# KiCad board HX711.kicad_pcb (continued)
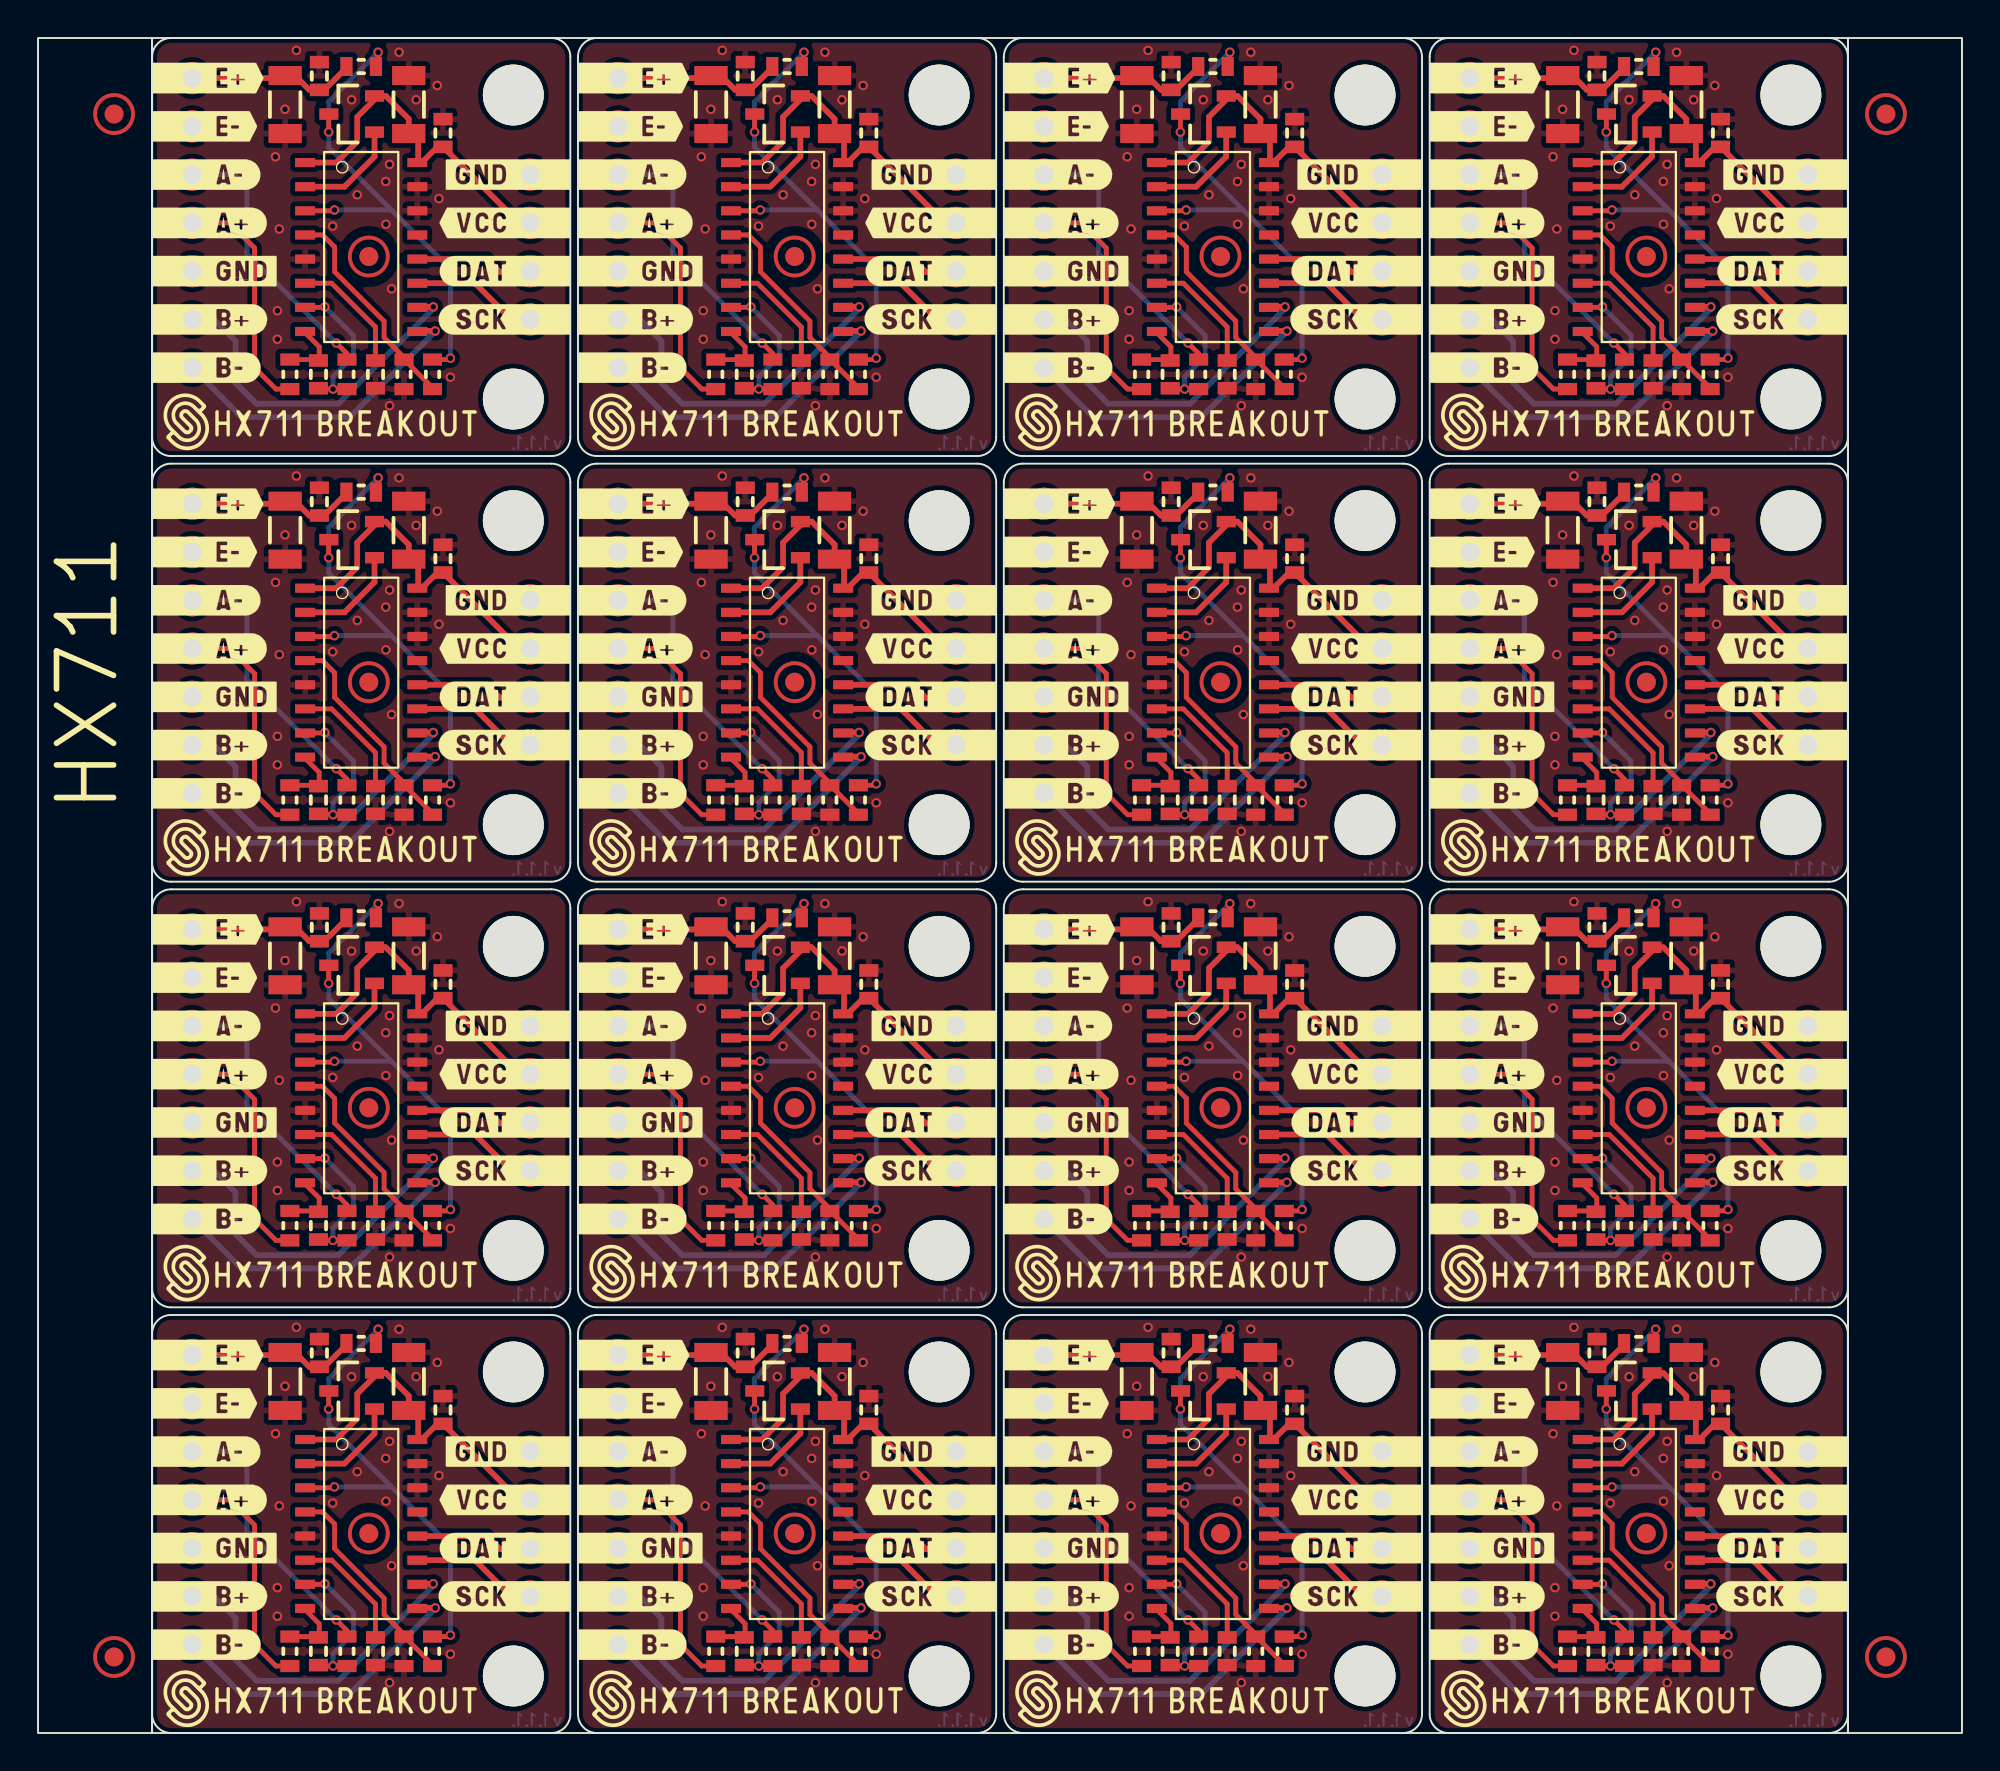
[diagram p0: board, top side]
## Placement (name value [footprint] x y rotation side) (continued)
NOREF#116  -  [buzzardLabel]  16.2 24.1 0 top
NOREF#117  -  [buzzardLabel]  28 9.73 0 top
NOREF#118  -  [buzzardLabel]  83.4 46.5 0 top
NOREF#119  -  [buzzardLabel]  28 59.61 0 top
NOREF#120  -  [buzzardLabel]  28 29.59 0 top
NOREF#121  -  [buzzardLabel]  50.8 51.99 0 top
NOREF#122  -  [buzzardLabel]  72.8 7.19 0 top
NOREF#123  -  [buzzardLabel]  72.8 42.29 0 top
NOREF#124  -  [buzzardLabel]  95.6 34.67 0 top
NOREF#125  -  [buzzardLabel]  72.8 49.45 0 top
NOREF#126  -  [buzzardLabel]  73.2 7.19 0 top
NOREF#127  -  [buzzardLabel]  50.8 79.47 0 top
NOREF#128  -  [buzzardLabel]  28 84.55 0 top
NOREF#129  -  [buzzardLabel]  5.6 59.61 0 top
NOREF#130  -  [buzzardLabel]  50.4 59.61 0 top
NOREF#131  -  [buzzardLabel]  50.4 64.69 0 top
NOREF#132  -  [buzzardLabel]  16.2 1.7 0 top
NOREF#133  -  [buzzardLabel]  50.8 9.73 0 top
NOREF#134  -  [buzzardLabel]  72.8 27.05 0 top
NOREF#135  -  [buzzardLabel]  50.4 49.45 0 top
NOREF#136  -  [buzzardLabel]  72.8 87.09 0 top
NOREF#137  -  [buzzardLabel]  28.4 12.27 0 top
NOREF#138  -  [buzzardLabel]  95.6 74.39 0 top
NOREF#139  -  [buzzardLabel]  95.6 12.27 0 top
NOREF#140  -  [buzzardLabel]  28 76.93 0 top
NOREF#141  -  [buzzardLabel]  50.4 32.13 0 top
NOREF#142  -  [buzzardLabel]  61 1.7 0 top
NOREF#143  -  [buzzardLabel]  5.6 74.39 0 top
NOREF#144  -  [buzzardLabel]  28 82.01 0 top
NOREF#145  -  [buzzardLabel]  28.4 79.47 0 top
NOREF#146  -  [buzzardLabel]  28 87.09 0 top
NOREF#147  -  [buzzardLabel]  5.6 57.07 0 top
NOREF#148  -  [buzzardLabel]  72.8 59.61 0 top
NOREF#149  -  [buzzardLabel]  38.6 68.9 0 top
NOREF#150  -  [buzzardLabel]  50.4 7.19 0 top
NOREF#151  -  [buzzardLabel]  5.6 17.35 0 top
NOREF#152  -  [buzzardLabel]  73.2 12.27 0 top
NOREF#153  -  [buzzardLabel]  72.8 57.07 0 top
NOREF#154  -  [buzzardLabel]  50.8 29.59 0 top
NOREF#155  -  [buzzardLabel]  72.8 29.59 0 top
NOREF#156  -  [buzzardLabel]  72.8 9.73 0 top
NOREF#157  -  [buzzardLabel]  28 19.89 0 top
NOREF#158  -  [buzzardLabel]  50.4 57.07 0 top
NOREF#159  -  [buzzardLabel]  73.2 82.01 0 top
NOREF#160  -  [buzzardLabel]  73.2 79.47 0 top
NOREF#161  -  [buzzardLabel]  28 57.07 0 top
NOREF#162  -  [buzzardLabel]  28.4 29.59 0 top
NOREF#163  -  [buzzardLabel]  95.6 29.59 0 top
NOREF#164  -  [buzzardLabel]  5.6 34.67 0 top
NOREF#165  -  [buzzardLabel]  95.6 59.61 0 top
NOREF#166  -  [buzzardLabel]  28 42.29 0 top
NOREF#167  -  [buzzardLabel]  72.8 51.99 0 top
NOREF#168  -  [buzzardLabel]  50.8 37.21 0 top
NOREF#169  -  [buzzardLabel]  73.2 57.07 0 top
NOREF#170  -  [buzzardLabel]  50.4 27.05 0 top
NOREF#171  -  [buzzardLabel]  61 68.9 0 top
NOREF#172  -  [buzzardLabel]  28.4 82.01 0 top
NOREF#173  -  [buzzardLabel]  73.2 54.53 0 top
NOREF#174  -  [buzzardLabel]  5.6 27.05 0 top
NOREF#175  -  [buzzardLabel]  16.2 46.5 0 top
NOREF#176  -  [buzzardLabel]  38.6 1.7 0 top
NOREF#177  -  [buzzardLabel]  28 4.65 0 top
NOREF#178  -  [buzzardLabel]  50.4 74.39 0 top
NOREF#179  -  [buzzardLabel]  50.4 54.53 0 top
NOREF#180  -  [buzzardLabel]  28 51.99 0 top
NOREF#181  -  [buzzardLabel]  38.6 24.1 0 top
NOREF#182  -  [buzzardLabel]  72.8 84.55 0 top
NOREF#183  -  [buzzardLabel]  28 27.05 0 top
NOREF#184  -  [buzzardLabel]  50.4 76.93 0 top
NOREF#185  -  [buzzardLabel]  38.6 46.5 0 top
NOREF#186  -  [buzzardLabel]  50.4 37.21 0 top
NOREF#187  -  [buzzardLabel]  50.8 32.13 0 top
NOREF#188  -  [buzzardLabel]  50.4 62.15 0 top
NOREF#189  -  [buzzardLabel]  28 39.75 0 top
NOREF#190  -  [buzzardLabel]  5.6 4.65 0 top
NOREF#191  -  [buzzardLabel]  28.4 54.53 0 top
NOREF#192  -  [buzzardLabel]  95.6 57.07 0 top
Q1  MMBT4403  [SOT-23-3]  38.9 18 180 top
Q1#2  MMBT4403  [SOT-23-3]  16.5 40.4 180 top
Q1#3  MMBT4403  [SOT-23-3]  61.3 85.2 180 top
Q1#4  MMBT4403  [SOT-23-3]  61.3 40.4 180 top
Q1#5  MMBT4403  [SOT-23-3]  61.3 62.8 180 top
Q1#6  MMBT4403  [SOT-23-3]  83.7 62.8 180 top
Q1#7  MMBT4403  [SOT-23-3]  83.7 40.4 180 top
Q1#8  MMBT4403  [SOT-23-3]  16.5 85.2 180 top
Q1#9  MMBT4403  [SOT-23-3]  38.9 62.8 180 top
Q1#10  MMBT4403  [SOT-23-3]  16.5 62.8 180 top
Q1#11  MMBT4403  [SOT-23-3]  16.5 18 180 top
Q1#12  MMBT4403  [SOT-23-3]  61.3 18 180 top
Q1#13  MMBT4403  [SOT-23-3]  38.9 40.4 180 top
Q1#14  MMBT4403  [SOT-23-3]  83.7 85.2 180 top
Q1#15  MMBT4403  [SOT-23-3]  38.9 85.2 180 top
Q1#16  MMBT4403  [SOT-23-3]  83.7 18 180 top
R1  100R  [0603R]  38.65 26.7 90 top
R1#2  100R  [0603R]  61.05 71.5 90 top
R1#3  100R  [0603R]  83.45 26.7 90 top
R1#4  100R  [0603R]  38.65 71.5 90 top
R1#5  100R  [0603R]  16.25 4.3 90 top
R1#6  100R  [0603R]  38.65 4.3 90 top
R1#7  100R  [0603R]  61.05 26.7 90 top
R1#8  100R  [0603R]  61.05 49.1 90 top
R1#9  100R  [0603R]  83.45 71.5 90 top
R1#10  100R  [0603R]  16.25 49.1 90 top
R1#11  100R  [0603R]  16.25 71.5 90 top
R1#12  100R  [0603R]  83.45 4.3 90 top
R1#13  100R  [0603R]  61.05 4.3 90 top
R1#14  100R  [0603R]  16.25 26.7 90 top
R1#15  100R  [0603R]  38.65 49.1 90 top
R1#16  100R  [0603R]  83.45 49.1 90 top
R2  100R  [0603R]  13.25 4.3 270 top
R2#2  100R  [0603R]  80.45 26.7 270 top
R2#3  100R  [0603R]  58.05 71.5 270 top
R2#4  100R  [0603R]  80.45 4.3 270 top
R2#5  100R  [0603R]  80.45 71.5 270 top
R2#6  100R  [0603R]  58.05 49.1 270 top
R2#7  100R  [0603R]  35.65 71.5 270 top
R2#8  100R  [0603R]  13.25 71.5 270 top
R2#9  100R  [0603R]  13.25 26.7 270 top
R2#10  100R  [0603R]  35.65 26.7 270 top
R2#11  100R  [0603R]  80.45 49.1 270 top
R2#12  100R  [0603R]  58.05 4.3 270 top
R2#13  100R  [0603R]  13.25 49.1 270 top
R2#14  100R  [0603R]  35.65 4.3 270 top
R2#15  100R  [0603R]  35.65 49.1 270 top
R2#16  100R  [0603R]  58.05 26.7 270 top
R3  20k  [0603R]  20.75 49.1 90 top
R3#2  20k  [0603R]  43.15 71.5 90 top
R3#3  20k  [0603R]  65.55 26.7 90 top
R3#4  20k  [0603R]  20.75 26.7 90 top
R3#5  20k  [0603R]  20.75 4.3 90 top
R3#6  20k  [0603R]  65.55 71.5 90 top
R3#7  20k  [0603R]  87.95 4.3 90 top
R3#8  20k  [0603R]  20.75 71.5 90 top
R3#9  20k  [0603R]  43.15 26.7 90 top
R3#10  20k  [0603R]  43.15 49.1 90 top
R3#11  20k  [0603R]  43.15 4.3 90 top
R3#12  20k  [0603R]  87.95 26.7 90 top
R3#13  20k  [0603R]  87.95 49.1 90 top
R3#14  20k  [0603R]  87.95 71.5 90 top
R3#15  20k  [0603R]  65.55 49.1 90 top
R3#16  20k  [0603R]  65.55 4.3 90 top
R4  8.2k  [0603R]  64.05 4.3 90 top
R4#2  8.2k  [0603R]  41.65 26.7 90 top
R4#3  8.2k  [0603R]  41.65 49.1 90 top
R4#4  8.2k  [0603R]  86.45 49.1 90 top
R4#5  8.2k  [0603R]  64.05 49.1 90 top
R4#6  8.2k  [0603R]  19.25 71.5 90 top
R4#7  8.2k  [0603R]  41.65 4.3 90 top
R4#8  8.2k  [0603R]  64.05 71.5 90 top
R4#9  8.2k  [0603R]  86.45 71.5 90 top
R4#10  8.2k  [0603R]  19.25 26.7 90 top
R4#11  8.2k  [0603R]  86.45 26.7 90 top
R4#12  8.2k  [0603R]  64.05 26.7 90 top
R4#13  8.2k  [0603R]  19.25 4.3 90 top
R4#14  8.2k  [0603R]  41.65 71.5 90 top
R4#15  8.2k  [0603R]  86.45 4.3 90 top
R4#16  8.2k  [0603R]  19.25 49.1 90 top
R5  10R  [0603R]  61.8 87.7 180 top
R5#2  10R  [0603R]  39.4 87.7 180 top
R5#3  10R  [0603R]  17 87.7 180 top
R5#4  10R  [0603R]  84.2 20.5 180 top
R5#5  10R  [0603R]  84.2 42.9 180 top
R5#6  10R  [0603R]  17 20.5 180 top
R5#7  10R  [0603R]  84.2 87.7 180 top
R5#8  10R  [0603R]  17 65.3 180 top
R5#9  10R  [0603R]  61.8 20.5 180 top
R5#10  10R  [0603R]  39.4 42.9 180 top
R5#11  10R  [0603R]  17 42.9 180 top
R5#12  10R  [0603R]  39.4 65.3 180 top
R5#13  10R  [0603R]  61.8 42.9 180 top
R5#14  10R  [0603R]  39.4 20.5 180 top
R5#15  10R  [0603R]  61.8 65.3 180 top
R5#16  10R  [0603R]  84.2 65.3 180 top
REF**  Logo-Front-SolderedFULL-15mm  [Logo-Back-SolderedFULL-15mm]  39.4 78.2 0 top
REF**#2  Logo-Front-SolderedFULL-15mm  [Logo-Back-SolderedFULL-15mm]  39.4 55.8 0 top
REF**#3  Logo-Front-SolderedFULL-15mm  [Logo-Back-SolderedFULL-15mm]  17 78.2 0 top
REF**#4  Logo-Front-SolderedFULL-15mm  [Logo-Back-SolderedFULL-15mm]  84.2 11 0 top
REF**#5  Logo-Front-SolderedFULL-15mm  [Logo-Back-SolderedFULL-15mm]  61.8 11 0 top
REF**#6  Logo-Front-SolderedFULL-15mm  [Logo-Back-SolderedFULL-15mm]  84.2 33.4 0 top
REF**#7  Logo-Front-SolderedFULL-15mm  [Logo-Back-SolderedFULL-15mm]  61.8 78.2 0 top
REF**#8  Logo-Front-SolderedFULL-15mm  [Logo-Back-SolderedFULL-15mm]  61.8 55.8 0 top
REF**#9  Logo-Front-SolderedFULL-15mm  [Logo-Back-SolderedFULL-15mm]  39.4 11 0 top
REF**#10  Logo-Front-SolderedFULL-15mm  [Logo-Back-SolderedFULL-15mm]  84.2 55.8 0 top
REF**#11  Logo-Front-SolderedFULL-15mm  [Logo-Back-SolderedFULL-15mm]  17 11 0 top
REF**#12  Logo-Front-SolderedFULL-15mm  [Logo-Back-SolderedFULL-15mm]  39.4 33.4 0 top
REF**#13  Logo-Front-SolderedFULL-15mm  [Logo-Back-SolderedFULL-15mm]  17 55.8 0 top
REF**#14  Logo-Front-SolderedFULL-15mm  [Logo-Back-SolderedFULL-15mm]  17 33.4 0 top
REF**#15  Logo-Front-SolderedFULL-15mm  [Logo-Back-SolderedFULL-15mm]  61.8 33.4 0 top
REF**#16  Logo-Front-SolderedFULL-15mm  [Logo-Back-SolderedFULL-15mm]  84.2 78.2 0 top
REF**#17  -  [Version1.1.1.]  26.2 45.5 180 bottom
REF**#18  -  [Version1.1.1.]  93.4 0.7 180 bottom
REF**#19  -  [Version1.1.1.]  71 67.9 180 bottom
REF**#20  -  [Version1.1.1.]  26.2 0.7 180 bottom
REF**#21  -  [Version1.1.1.]  26.2 67.9 180 bottom
REF**#22  -  [Version1.1.1.]  26.2 23.1 180 bottom
REF**#23  -  [Version1.1.1.]  93.4 45.5 180 bottom
REF**#24  -  [Version1.1.1.]  71 45.5 180 bottom
REF**#25  -  [Version1.1.1.]  48.6 0.7 180 bottom
REF**#26  -  [Version1.1.1.]  93.4 67.9 180 bottom
REF**#27  -  [Version1.1.1.]  93.4 23.1 180 bottom
REF**#28  -  [Version1.1.1.]  71 23.1 180 bottom
REF**#29  -  [Version1.1.1.]  48.6 45.5 180 bottom
REF**#30  -  [Version1.1.1.]  71 0.7 180 bottom
REF**#31  -  [Version1.1.1.]  48.6 67.9 180 bottom
REF**#32  -  [Version1.1.1.]  48.6 23.1 180 bottom
U1  HX711  [SOP-16]  84.2 11 0 top
U1#2  HX711  [SOP-16]  17 11 0 top
U1#3  HX711  [SOP-16]  61.8 11 0 top
U1#4  HX711  [SOP-16]  61.8 33.4 0 top
U1#5  HX711  [SOP-16]  84.2 78.2 0 top
U1#6  HX711  [SOP-16]  39.4 55.8 0 top
U1#7  HX711  [SOP-16]  84.2 55.8 0 top
U1#8  HX711  [SOP-16]  39.4 33.4 0 top
U1#9  HX711  [SOP-16]  17 78.2 0 top
U1#10  HX711  [SOP-16]  61.8 55.8 0 top
U1#11  HX711  [SOP-16]  39.4 78.2 0 top
U1#12  HX711  [SOP-16]  17 33.4 0 top
U1#13  HX711  [SOP-16]  17 55.8 0 top
U1#14  HX711  [SOP-16]  84.2 33.4 0 top
U1#15  HX711  [SOP-16]  61.8 78.2 0 top
U1#16  HX711  [SOP-16]  39.4 11 0 top

## Footprints (pads in the part's own frame, mm; a bottom-side part is the same pattern mirrored in y, then rotated)
0603C
  rect 0.66x1 smd: 1(-0.73,0) 2(0.73,0)
0603R
  rect 0.64x1 smd: 1(-0.775,0) 2(0.775,0)
1206C
  rect 1x1.75 smd: 1(-1.525,0) 2(1.525,0)
FIDUCIAL_23
  round 1 smd: 1(0,0)
HEADER_MALE_2X1
  round 1.524 hole 1: 1(-1.27,0) 2(1.27,0)
HEADER_MALE_4X1
  round 1.7 hole 1: 1(-3.81,0) 2(-1.27,0) 3(1.27,0) 4(3.81,0)
HEADER_MALE_5X1
  round 1.7 hole 1: 1(-5.08,0) 2(-2.54,0) 3(0,0) 4(2.54,0) 5(5.08,0)
HOLE_3.2mm
  round 3.2 hole 3.2 unplated: (0,0)
SOP-16
  rect 1.05x0.48 smd: 1(-2.95,4.445) 2(-2.95,3.175) 3(-2.95,1.905) 4(-2.95,0.635) 5(-2.95,-0.635) 6(-2.95,-1.905) 7(-2.95,-3.175) 8(-2.95,-4.445) 9(2.95,-4.445) 10(2.95,-3.175) 11(2.95,-1.905) 12(2.95,-0.635) 13(2.95,0.635) 14(2.95,1.905) 15(2.95,3.175) 16(2.95,4.445)
SOT-23-3
  rect 1x0.6 smd: 1(-1.2,0.95) 2(-1.2,-0.95) 3(1.2,0)

## Nets
GND: C1.1 C1#2.1 C1#3.1 C1#4.1 C1#5.1 C1#6.1 C1#7.1 C1#8.1 C1#9.1 C1#10.1 C1#11.1 C1#12.1 C1#13.1 C1#14.1 C1#15.1 C1#16.1 C2.1 C2#2.1 C2#3.1 C2#4.1 C2#5.1 C2#6.1 C2#7.1 C2#8.1 C2#9.1 C2#10.1 C2#11.1 C2#12.1 C2#13.1 C2#14.1 C2#15.1 C2#16.1 C3.1 C3#2.1 C3#3.1 C3#4.1 C3#5.1 C3#6.1 C3#7.1 C3#8.1 C3#9.1 C3#10.1 C3#11.1 C3#12.1 C3#13.1 C3#14.1 C3#15.1 C3#16.1 C5.1 C5#2.1 C5#3.1 C5#4.1 C5#5.1 C5#6.1 C5#7.1 C5#8.1 C5#9.1 C5#10.1 C5#11.1 C5#12.1 C5#13.1 C5#14.1 C5#15.1 C5#16.1 C6.1 C6#2.1 C6#3.1 C6#4.1 C6#5.1 C6#6.1 C6#7.1 C6#8.1 C6#9.1 C6#10.1 C6#11.1 C6#12.1 C6#13.1 C6#14.1 C6#15.1 C6#16.1 K1.1 K1.4 K1#2.1 K1#2.4 K1#3.1 K1#3.4 K1#4.1 K1#4.4 K1#5.1 K1#5.4 K1#6.1 K1#6.4 K1#7.1 K1#7.4 K1#8.1 K1#8.4 K1#9.1 K1#9.4 K1#10.1 K1#10.4 K1#11.1 K1#11.4 K1#12.1 K1#12.4 K1#13.1 K1#13.4 K1#14.1 K1#14.4 K1#15.1 K1#15.4 K1#16.1 K1#16.4 K3.4 K3#2.4 K3#3.4 K3#4.4 K3#5.4 K3#6.4 K3#7.4 K3#8.4 K3#9.4 K3#10.4 K3#11.4 K3#12.4 K3#13.4 K3#14.4 K3#15.4 K3#16.4 R4.1 R4#2.1 R4#3.1 R4#4.1 R4#5.1 R4#6.1 R4#7.1 R4#8.1 R4#9.1 R4#10.1 R4#11.1 R4#12.1 R4#13.1 R4#14.1 R4#15.1 R4#16.1 U1.5 U1.14 U1.15 U1#2.5 U1#2.14 U1#2.15 U1#3.5 U1#3.14 U1#3.15 U1#4.5 U1#4.14 U1#4.15 U1#5.5 U1#5.14 U1#5.15 U1#6.5 U1#6.14 U1#6.15 U1#7.5 U1#7.14 U1#7.15 U1#8.5 U1#8.14 U1#8.15 U1#9.5 U1#9.14 U1#9.15 U1#10.5 U1#10.14 U1#10.15 U1#11.5 U1#11.14 U1#11.15 U1#12.5 U1#12.14 U1#12.15 U1#13.5 U1#13.14 U1#13.15 U1#14.5 U1#14.14 U1#14.15 U1#15.5 U1#15.14 U1#15.15 U1#16.5 U1#16.14 U1#16.15
VCC: C5.2 C5#2.2 C5#3.2 C5#4.2 C5#5.2 C5#6.2 C5#7.2 C5#8.2 C5#9.2 C5#10.2 C5#11.2 C5#12.2 C5#13.2 C5#14.2 C5#15.2 C5#16.2 C6.2 C6#2.2 C6#3.2 C6#4.2 C6#5.2 C6#6.2 C6#7.2 C6#8.2 C6#9.2 C6#10.2 C6#11.2 C6#12.2 C6#13.2 C6#14.2 C6#15.2 C6#16.2 K3.3 K3#2.3 K3#3.3 K3#4.3 K3#5.3 K3#6.3 K3#7.3 K3#8.3 K3#9.3 K3#10.3 K3#11.3 K3#12.3 K3#13.3 K3#14.3 K3#15.3 K3#16.3 Q1.2 Q1#2.2 Q1#3.2 Q1#4.2 Q1#5.2 Q1#6.2 Q1#7.2 Q1#8.2 Q1#9.2 Q1#10.2 Q1#11.2 Q1#12.2 Q1#13.2 Q1#14.2 Q1#15.2 Q1#16.2 U1.1 U1.16 U1#2.1 U1#2.16 U1#3.1 U1#3.16 U1#4.1 U1#4.16 U1#5.1 U1#5.16 U1#6.1 U1#6.16 U1#7.1 U1#7.16 U1#8.1 U1#8.16 U1#9.1 U1#9.16 U1#10.1 U1#10.16 U1#11.1 U1#11.16 U1#12.1 U1#12.16 U1#13.1 U1#13.16 U1#14.1 U1#14.16 U1#15.1 U1#15.16 U1#16.1 U1#16.16
Net-(C1-Pad2): C1.2 C1#2.2 C1#3.2 C1#4.2 C1#5.2 C1#6.2 C1#7.2 C1#8.2 C1#9.2 C1#10.2 C1#11.2 C1#12.2 C1#13.2 C1#14.2 C1#15.2 C1#16.2 C2.2 C2#2.2 C2#3.2 C2#4.2 C2#5.2 C2#6.2 C2#7.2 C2#8.2 C2#9.2 C2#10.2 C2#11.2 C2#12.2 C2#13.2 C2#14.2 C2#15.2 C2#16.2 K1.5 K1#2.5 K1#3.5 K1#4.5 K1#5.5 K1#6.5 K1#7.5 K1#8.5 K1#9.5 K1#10.5 K1#11.5 K1#12.5 K1#13.5 K1#14.5 K1#15.5 K1#16.5 R5.2 R5#2.2 R5#3.2 R5#4.2 R5#5.2 R5#6.2 R5#7.2 R5#8.2 R5#9.2 R5#10.2 R5#11.2 R5#12.2 R5#13.2 R5#14.2 R5#15.2 R5#16.2
Net-(C3-Pad2): C3.2 C3#2.2 C3#3.2 C3#4.2 C3#5.2 C3#6.2 C3#7.2 C3#8.2 C3#9.2 C3#10.2 C3#11.2 C3#12.2 C3#13.2 C3#14.2 C3#15.2 C3#16.2 U1.6 U1#2.6 U1#3.6 U1#4.6 U1#5.6 U1#6.6 U1#7.6 U1#8.6 U1#9.6 U1#10.6 U1#11.6 U1#12.6 U1#13.6 U1#14.6 U1#15.6 U1#16.6
Net-(C4-Pad1): C4.1 C4#2.1 C4#3.1 C4#4.1 C4#5.1 C4#6.1 C4#7.1 C4#8.1 C4#9.1 C4#10.1 C4#11.1 C4#12.1 C4#13.1 C4#14.1 C4#15.1 C4#16.1 R2.1 R2#2.1 R2#3.1 R2#4.1 R2#5.1 R2#6.1 R2#7.1 R2#8.1 R2#9.1 R2#10.1 R2#11.1 R2#12.1 R2#13.1 R2#14.1 R2#15.1 R2#16.1 U1.8 U1#2.8 U1#3.8 U1#4.8 U1#5.8 U1#6.8 U1#7.8 U1#8.8 U1#9.8 U1#10.8 U1#11.8 U1#12.8 U1#13.8 U1#14.8 U1#15.8 U1#16.8
Net-(C4-Pad2): C4.2 C4#2.2 C4#3.2 C4#4.2 C4#5.2 C4#6.2 C4#7.2 C4#8.2 C4#9.2 C4#10.2 C4#11.2 C4#12.2 C4#13.2 C4#14.2 C4#15.2 C4#16.2 R1.1 R1#2.1 R1#3.1 R1#4.1 R1#5.1 R1#6.1 R1#7.1 R1#8.1 R1#9.1 R1#10.1 R1#11.1 R1#12.1 R1#13.1 R1#14.1 R1#15.1 R1#16.1 U1.7 U1#2.7 U1#3.7 U1#4.7 U1#5.7 U1#6.7 U1#7.7 U1#8.7 U1#9.7 U1#10.7 U1#11.7 U1#12.7 U1#13.7 U1#14.7 U1#15.7 U1#16.7
Net-(K1-Pad2): K1.2 K1#2.2 K1#3.2 K1#4.2 K1#5.2 K1#6.2 K1#7.2 K1#8.2 K1#9.2 K1#10.2 K1#11.2 K1#12.2 K1#13.2 K1#14.2 K1#15.2 K1#16.2 R2.2 R2#2.2 R2#3.2 R2#4.2 R2#5.2 R2#6.2 R2#7.2 R2#8.2 R2#9.2 R2#10.2 R2#11.2 R2#12.2 R2#13.2 R2#14.2 R2#15.2 R2#16.2
Net-(K1-Pad3): K1.3 K1#2.3 K1#3.3 K1#4.3 K1#5.3 K1#6.3 K1#7.3 K1#8.3 K1#9.3 K1#10.3 K1#11.3 K1#12.3 K1#13.3 K1#14.3 K1#15.3 K1#16.3 R1.2 R1#2.2 R1#3.2 R1#4.2 R1#5.2 R1#6.2 R1#7.2 R1#8.2 R1#9.2 R1#10.2 R1#11.2 R1#12.2 R1#13.2 R1#14.2 R1#15.2 R1#16.2
Net-(K2-Pad1): K2.1 K2#2.1 K2#3.1 K2#4.1 K2#5.1 K2#6.1 K2#7.1 K2#8.1 K2#9.1 K2#10.1 K2#11.1 K2#12.1 K2#13.1 K2#14.1 K2#15.1 K2#16.1 U1.9 U1#2.9 U1#3.9 U1#4.9 U1#5.9 U1#6.9 U1#7.9 U1#8.9 U1#9.9 U1#10.9 U1#11.9 U1#12.9 U1#13.9 U1#14.9 U1#15.9 U1#16.9
Net-(K2-Pad2): K2.2 K2#2.2 K2#3.2 K2#4.2 K2#5.2 K2#6.2 K2#7.2 K2#8.2 K2#9.2 K2#10.2 K2#11.2 K2#12.2 K2#13.2 K2#14.2 K2#15.2 K2#16.2 U1.10 U1#2.10 U1#3.10 U1#4.10 U1#5.10 U1#6.10 U1#7.10 U1#8.10 U1#9.10 U1#10.10 U1#11.10 U1#12.10 U1#13.10 U1#14.10 U1#15.10 U1#16.10
Net-(K3-Pad1): K3.1 K3#2.1 K3#3.1 K3#4.1 K3#5.1 K3#6.1 K3#7.1 K3#8.1 K3#9.1 K3#10.1 K3#11.1 K3#12.1 K3#13.1 K3#14.1 K3#15.1 K3#16.1 U1.11 U1#2.11 U1#3.11 U1#4.11 U1#5.11 U1#6.11 U1#7.11 U1#8.11 U1#9.11 U1#10.11 U1#11.11 U1#12.11 U1#13.11 U1#14.11 U1#15.11 U1#16.11
Net-(K3-Pad2): K3.2 K3#2.2 K3#3.2 K3#4.2 K3#5.2 K3#6.2 K3#7.2 K3#8.2 K3#9.2 K3#10.2 K3#11.2 K3#12.2 K3#13.2 K3#14.2 K3#15.2 K3#16.2 U1.12 U1#2.12 U1#3.12 U1#4.12 U1#5.12 U1#6.12 U1#7.12 U1#8.12 U1#9.12 U1#10.12 U1#11.12 U1#12.12 U1#13.12 U1#14.12 U1#15.12 U1#16.12
Net-(Q1-Pad1): Q1.1 Q1#2.1 Q1#3.1 Q1#4.1 Q1#5.1 Q1#6.1 Q1#7.1 Q1#8.1 Q1#9.1 Q1#10.1 Q1#11.1 Q1#12.1 Q1#13.1 Q1#14.1 Q1#15.1 Q1#16.1 U1.2 U1#2.2 U1#3.2 U1#4.2 U1#5.2 U1#6.2 U1#7.2 U1#8.2 U1#9.2 U1#10.2 U1#11.2 U1#12.2 U1#13.2 U1#14.2 U1#15.2 U1#16.2
Net-(Q1-Pad3): Q1.3 Q1#2.3 Q1#3.3 Q1#4.3 Q1#5.3 Q1#6.3 Q1#7.3 Q1#8.3 Q1#9.3 Q1#10.3 Q1#11.3 Q1#12.3 Q1#13.3 Q1#14.3 Q1#15.3 Q1#16.3 R3.2 R3#2.2 R3#3.2 R3#4.2 R3#5.2 R3#6.2 R3#7.2 R3#8.2 R3#9.2 R3#10.2 R3#11.2 R3#12.2 R3#13.2 R3#14.2 R3#15.2 R3#16.2 R5.1 R5#2.1 R5#3.1 R5#4.1 R5#5.1 R5#6.1 R5#7.1 R5#8.1 R5#9.1 R5#10.1 R5#11.1 R5#12.1 R5#13.1 R5#14.1 R5#15.1 R5#16.1 U1.3 U1#2.3 U1#3.3 U1#4.3 U1#5.3 U1#6.3 U1#7.3 U1#8.3 U1#9.3 U1#10.3 U1#11.3 U1#12.3 U1#13.3 U1#14.3 U1#15.3 U1#16.3
Net-(R3-Pad1): R3.1 R3#2.1 R3#3.1 R3#4.1 R3#5.1 R3#6.1 R3#7.1 R3#8.1 R3#9.1 R3#10.1 R3#11.1 R3#12.1 R3#13.1 R3#14.1 R3#15.1 R3#16.1 R4.2 R4#2.2 R4#3.2 R4#4.2 R4#5.2 R4#6.2 R4#7.2 R4#8.2 R4#9.2 R4#10.2 R4#11.2 R4#12.2 R4#13.2 R4#14.2 R4#15.2 R4#16.2 U1.4 U1#2.4 U1#3.4 U1#4.4 U1#5.4 U1#6.4 U1#7.4 U1#8.4 U1#9.4 U1#10.4 U1#11.4 U1#12.4 U1#13.4 U1#14.4 U1#15.4 U1#16.4

Pads without a net: FD1 1; FD1#2 1; FD1#3 1; FD1#4 1; FD1#5 1; FD1#6 1; FD1#7 1; FD1#8 1; FD1#9 1; FD1#10 1; FD1#11 1; FD1#12 1; FD1#13 1; FD1#14 1; FD1#15 1; FD1#16 1; FD1#17 1; FD1#18 1; FD1#19 1; FD1#20 1; U1 13; U1#2 13; U1#3 13; U1#4 13; U1#5 13; U1#6 13; U1#7 13; U1#8 13; U1#9 13; U1#10 13; U1#11 13; U1#12 13; U1#13 13; U1#14 13; U1#15 13; U1#16 13

## Via types
v1: diameter 0.5, hole 0.3, Top to Bottom, 448 vias

## Routing (per net, layer and track width the routed paths; a pad name or vN(x,y) marks a point on that pad's centre or on a via; arc(x,y) is an arc through that point)
GND:
  vias: v1(12.49,82.95) v1(12.49,60.55) v1(12.49,38.15) v1(12.49,15.75) v1(12.59,74.85) v1(12.59,73.35) v1(12.59,52.45) v1(12.59,50.95) v1(12.59,30.05) v1(12.59,28.55) v1(12.59,7.65) v1(12.59,6.15) v1(12.69,79.15) v1(12.69,56.75) v1(12.69,34.35) v1(12.69,11.95) v1(12.99,85.45) v1(12.99,63.05) v1(12.99,40.65) v1(12.99,18.25) v1(13.59,88.55) v1(13.59,66.15) v1(13.59,43.75) v1(13.59,21.35) v1(15.5,79.3) v1(15.5,56.9) v1(15.5,34.5) v1(15.5,12.1) v1(16.49,85.95) v1(16.49,63.55) v1(16.49,41.15) v1(16.49,18.75) v1(16.79,80.95) v1(16.79,58.55) v1(16.79,36.15) v1(16.79,13.75) v1(18.29,81.65) v1(18.3,79.4) v1(18.29,59.25) v1(18.3,57) v1(18.29,36.85) v1(18.3,34.6) v1(18.29,14.45) v1(18.3,12.2) v1(18.49,82.55) v1(18.49,69.85) v1(18.49,60.15) v1(18.49,47.45) v1(18.49,37.75) v1(18.49,25.05) v1(18.49,15.35) v1(18.49,2.65) v1(18.6,76) v1(18.6,53.6) v1(18.6,31.2) v1(18.6,8.8) v1(18.99,88.45) v1(18.99,66.05) v1(18.99,43.65) v1(18.99,21.25) v1(19.89,85.95) v1(19.89,63.55) v1(19.89,41.15) v1(19.89,18.75) v1(21,86.7) v1(21,64.3) v1(21,41.9) v1(21,19.5) v1(21.09,80.75) v1(21.09,58.35) v1(21.09,35.95) v1(21.09,13.55) v1(21.69,71.35) v1(21.69,48.95) v1(21.69,26.55) v1(21.69,4.15) v1(34.89,82.95) v1(34.89,60.55) v1(34.89,38.15) v1(34.89,15.75) v1(34.99,74.85) v1(34.99,73.35) v1(34.99,52.45) v1(34.99,50.95) v1(34.99,30.05) v1(34.99,28.55) v1(34.99,7.65) v1(34.99,6.15) v1(35.09,79.15) v1(35.09,56.75) v1(35.09,34.35) v1(35.09,11.95) v1(35.39,85.45) v1(35.39,63.05) v1(35.39,40.65) v1(35.39,18.25) v1(35.99,88.55) v1(35.99,66.15) v1(35.99,43.75) v1(35.99,21.35) v1(37.9,79.3) v1(37.9,56.9) v1(37.9,34.5) v1(37.9,12.1) v1(38.89,85.95) v1(38.89,63.55) v1(38.89,41.15) v1(38.89,18.75) v1(39.19,80.95) v1(39.19,58.55) v1(39.19,36.15) v1(39.19,13.75) v1(40.69,81.65) v1(40.7,79.4) v1(40.69,59.25) v1(40.7,57) v1(40.69,36.85) v1(40.7,34.6) v1(40.69,14.45) v1(40.7,12.2) v1(40.89,82.55) v1(40.89,69.85) v1(40.89,60.15) v1(40.89,47.45) v1(40.89,37.75) v1(40.89,25.05) v1(40.89,15.35) v1(40.89,2.65) v1(41,76) v1(41,53.6) v1(41,31.2) v1(41,8.8) v1(41.39,88.45) v1(41.39,66.05) v1(41.39,43.65) v1(41.39,21.25) v1(42.29,85.95) v1(42.29,63.55) v1(42.29,41.15) v1(42.29,18.75) v1(43.4,86.7) v1(43.4,64.3) v1(43.4,41.9) v1(43.4,19.5) v1(43.49,80.75) v1(43.49,58.35) v1(43.49,35.95) v1(43.49,13.55) v1(44.09,71.35) v1(44.09,48.95) v1(44.09,26.55) v1(44.09,4.15) v1(57.29,82.95) v1(57.29,60.55) v1(57.29,38.15) v1(57.29,15.75) v1(57.39,74.85) v1(57.39,73.35) v1(57.39,52.45) v1(57.39,50.95) v1(57.39,30.05) v1(57.39,28.55) v1(57.39,7.65) v1(57.39,6.15) v1(57.49,79.15) v1(57.49,56.75) v1(57.49,34.35) v1(57.49,11.95) v1(57.79,85.45) v1(57.79,63.05) v1(57.79,40.65) v1(57.79,18.25) v1(58.39,88.55) v1(58.39,66.15) v1(58.39,43.75) v1(58.39,21.35) v1(60.3,79.3) v1(60.3,56.9) v1(60.3,34.5) v1(60.3,12.1) v1(61.29,85.95) v1(61.29,63.55) v1(61.29,41.15) v1(61.29,18.75) v1(61.59,80.95) v1(61.59,58.55) v1(61.59,36.15) v1(61.59,13.75) v1(63.09,81.65) v1(63.1,79.4) v1(63.09,59.25) v1(63.1,57) v1(63.09,36.85) v1(63.1,34.6) v1(63.09,14.45) v1(63.1,12.2) v1(63.29,82.55) v1(63.29,69.85) v1(63.29,60.15) v1(63.29,47.45) v1(63.29,37.75) v1(63.29,25.05) v1(63.29,15.35) v1(63.29,2.65) v1(63.4,76) v1(63.4,53.6) v1(63.4,31.2) v1(63.4,8.8) v1(63.79,88.45) v1(63.79,66.05) v1(63.79,43.65) v1(63.79,21.25) v1(64.69,85.95) v1(64.69,63.55) v1(64.69,41.15) v1(64.69,18.75) v1(65.8,86.7) v1(65.8,64.3) v1(65.8,41.9) v1(65.8,19.5) v1(65.89,80.75) v1(65.89,58.35) v1(65.89,35.95) v1(65.89,13.55) v1(66.49,71.35) v1(66.49,48.95) v1(66.49,26.55) v1(66.49,4.15) v1(79.69,82.95) v1(79.69,60.55) v1(79.69,38.15) v1(79.69,15.75) v1(79.79,74.85) v1(79.79,73.35) v1(79.79,52.45) v1(79.79,50.95) v1(79.79,30.05) v1(79.79,28.55) v1(79.79,7.65) v1(79.79,6.15) v1(79.89,79.15) v1(79.89,56.75) v1(79.89,34.35) v1(79.89,11.95) v1(80.19,85.45) v1(80.19,63.05) v1(80.19,40.65) v1(80.19,18.25) v1(80.79,88.55) v1(80.79,66.15) v1(80.79,43.75) v1(80.79,21.35) v1(82.7,79.3) v1(82.7,56.9) v1(82.7,34.5) v1(82.7,12.1) v1(83.69,85.95) v1(83.69,63.55) v1(83.69,41.15) v1(83.69,18.75) v1(83.99,80.95) v1(83.99,58.55) v1(83.99,36.15) v1(83.99,13.75) v1(85.49,81.65) v1(85.5,79.4) v1(85.49,59.25) v1(85.5,57) v1(85.49,36.85) v1(85.5,34.6) v1(85.49,14.45) v1(85.5,12.2) v1(85.69,82.55) v1(85.69,69.85) v1(85.69,60.15) v1(85.69,47.45) v1(85.69,37.75) v1(85.69,25.05) v1(85.69,15.35) v1(85.69,2.65) v1(85.8,76) v1(85.8,53.6) v1(85.8,31.2) v1(85.8,8.8) v1(86.19,88.45) v1(86.19,66.05) v1(86.19,43.65) v1(86.19,21.25) v1(87.09,85.95) v1(87.09,63.55) v1(87.09,41.15) v1(87.09,18.75) v1(88.2,86.7) v1(88.2,64.3) v1(88.2,41.9) v1(88.2,19.5) v1(88.29,80.75) v1(88.29,58.35) v1(88.29,35.95) v1(88.29,13.55) v1(88.89,71.35) v1(88.89,48.95) v1(88.89,26.55) v1(88.89,4.15)
VCC: length 309.2
  Top w0.3: K3#10.3 47.7,12.27 C5#13.2 43.41,16.27 42.58,15.44 U1#16.16 42.4,15.5 42.4,17.08 42.41,17.08 ; 48.9,12.27 48.21,12.27 ; 20,39.48 20,39.48 20,37.9 U1#12.16 20.19,37.84 21.01,38.67 C5#6.2 25.3,34.67 K3#5.3 ; 71.3,34.67 70.61,34.67 ; K3.3 70.1,57.07 C5#5.2 65.81,61.07 64.98,60.25 U1#10.16 64.8,60.3 64.8,61.88 64.81,61.88 ; K3#7.3 70.1,12.27 C5#16.2 65.81,16.27 64.98,15.44 U1#3.16 64.8,15.5 64.8,17.08 64.81,17.08 ; C6#2.2 41.9,40.14 40.69,41.35 Q1#13.2 40.1,41.16 39.19,40.25 39.19,38.95 38.08,37.84 U1#8.1 ; 26.5,57.07 25.81,57.07 ; 87.21,61.88 87.2,61.88 87.2,60.3 U1#7.16 87.38,60.25 88.21,61.07 C5.2 92.5,57.07 K3#2.3 ; U1#4.1 60.48,37.84 61.59,38.95 61.59,40.25 62.5,41.16 Q1#4.2 63.09,41.35 64.3,40.14 C6#12.2 ; C6#15.2 19.5,17.74 18.29,18.95 Q1#11.2 17.7,18.76 16.79,17.85 16.79,16.55 15.69,15.44 U1#2.1 ; K3#11.3 92.5,34.67 C5#15.2 88.21,38.67 87.38,37.84 U1#14.16 87.2,37.9 87.2,39.48 87.21,39.48 ; K3#9.3 47.7,34.67 C5#11.2 43.41,38.67 42.58,37.84 U1#8.16 42.4,37.9 42.4,39.48 42.41,39.48 ; U1#10.1 60.48,60.25 61.59,61.35 61.59,62.65 62.5,63.56 Q1#5.2 63.09,63.75 64.3,62.54 C6#7.2 ; 48.9,34.67 48.21,34.67 ; 26.5,12.27 25.81,12.27 ; C6#11.2 86.7,40.14 85.49,41.35 Q1#7.2 84.9,41.16 83.99,40.25 83.99,38.95 82.88,37.84 U1#14.1 ; C6#14.2 19.5,40.14 18.29,41.35 Q1#2.2 17.7,41.16 16.79,40.25 16.79,38.95 15.69,37.84 U1#12.1 ; C6#5.2 41.9,62.54 40.69,63.75 Q1#9.2 40.1,63.56 39.19,62.65 39.19,61.35 38.08,60.25 U1#6.1 ; K3#8.3 25.3,12.27 C5#3.2 21.01,16.27 20.19,15.44 U1#2.16 20,15.5 20,17.08 20,17.08 ; 20,84.28 20,84.28 20,82.7 U1#9.16 20.19,82.65 21.01,83.47 C5#8.2 25.3,79.47 K3#4.3 ; U1.1 82.88,15.44 83.99,16.55 83.99,17.85 84.9,18.76 Q1#16.2 85.49,18.95 86.7,17.74 C6#3.2 ; K3#16.3 70.1,79.47 C5#7.2 65.81,83.47 64.98,82.65 U1#15.16 64.8,82.7 64.8,84.28 64.81,84.28 ; 42.41,84.28 42.4,84.28 42.4,82.7 U1#11.16 42.58,82.65 43.41,83.47 C5#12.2 47.7,79.47 K3#14.3 ; 93.7,57.07 93.01,57.07 ; K3#15.3 92.5,79.47 C5#4.2 88.21,83.47 87.38,82.65 U1#5.16 87.2,82.7 87.2,84.28 87.21,84.28 ; 48.9,57.07 48.21,57.07 ; 93.7,34.67 93.01,34.67 ; 20,61.88 20,61.88 20,60.3 U1#13.16 20.19,60.25 21.01,61.07 C5#9.2 25.3,57.07 K3#13.3 ; 64.3,84.18 64.3,84.94 63.09,86.15 Q1#3.2 62.5,85.96 61.59,85.05 61.59,83.75 60.48,82.65 U1#15.1 ; 86.7,84.18 86.7,84.94 85.49,86.15 Q1#14.2 84.9,85.96 83.99,85.05 83.99,83.75 82.88,82.65 U1#5.1 ; 87.21,17.08 87.2,17.08 87.2,15.5 U1.16 87.38,15.44 88.21,16.27 C5#14.2 92.5,12.27 K3#6.3 ; C6#6.2 41.9,17.74 40.69,18.95 Q1.2 40.1,18.76 39.19,17.85 39.19,16.55 38.08,15.44 U1#16.1 ; U1#13.1 15.69,60.25 16.79,61.35 16.79,62.65 17.7,63.56 Q1#10.2 18.29,63.75 19.5,62.54 C6#13.2 ; U1#11.1 38.08,82.65 39.19,83.75 39.19,85.05 40.1,85.96 Q1#15.2 40.69,86.15 41.9,84.94 41.9,84.18 ; U1#9.1 15.69,82.65 16.79,83.75 16.79,85.05 17.7,85.96 Q1#8.2 18.29,86.15 19.5,84.94 19.5,84.18 ; 64.81,39.48 64.8,39.48 64.8,37.9 U1#4.16 64.98,37.84 65.81,38.67 C5#10.2 70.1,34.67 K3#12.3 ; C6#16.2 64.3,17.74 63.09,18.95 Q1#12.2 62.5,18.76 61.59,17.85 61.59,16.55 60.48,15.44 U1#3.1 ; 93.7,79.47 93.01,79.47 ; K3#3.3 47.7,57.07 C5#2.2 43.41,61.07 42.58,60.25 U1#6.16 42.4,60.3 42.4,61.88 42.41,61.88 ; 71.3,79.47 70.61,79.47 ; 71.3,12.27 70.61,12.27 ; C6#10.2 86.7,62.54 85.49,63.75 Q1#6.2 84.9,63.56 83.99,62.65 83.99,61.35 82.88,60.25 U1#7.1 ; 26.5,79.47 25.81,79.47 ; 26.5,34.67 25.81,34.67 ; 48.9,79.47 48.21,79.47 ; 93.7,12.27 93.01,12.27 ; 71.3,57.07 70.61,57.07
Net-(C1-Pad2): length 144.9
  Top w0.3: 16.29,42.9 15.06,41.67 C1#2.2 14.27,41.67 13.52,42.43 C2#4.2 12.87,42.29 K1#16.5 ; K1#5.5 57.67,42.29 C2#16.2 58.31,42.43 59.07,41.67 C1#4.2 59.86,41.67 61.09,42.9 ; 38.69,20.5 37.46,19.27 C1#15.2 36.67,19.27 35.92,20.03 C2#9.2 35.27,19.89 K1#4.5 ; 83.49,42.9 82.26,41.67 C1#6.2 81.47,41.67 80.72,42.43 C2#15.2 80.06,42.29 K1#13.5 ; 38.69,87.7 37.46,86.47 C1#8.2 36.67,86.47 35.92,87.23 C2#10.2 35.27,87.09 K1#7.5 ; 83.49,65.3 82.26,64.07 C1#3.2 81.47,64.07 80.72,64.83 80.2,64.83 80.06,64.69 K1#14.5 ; K1#3.5 57.67,19.89 C2#13.2 58.31,20.03 59.07,19.27 C1#13.2 59.86,19.27 61.09,20.5 ; 16.29,20.5 15.06,19.27 C1#12.2 14.27,19.27 13.52,20.03 C2#5.2 12.87,19.89 K1#2.5 ; K1#8.5 12.87,64.69 13,64.83 13.52,64.83 14.27,64.07 C1#16.2 15.06,64.07 16.29,65.3 ; 61.09,65.3 59.86,64.07 C1#9.2 59.07,64.07 58.31,64.83 57.8,64.83 57.67,64.69 K1#12.5 ; K1#6.5 80.06,19.89 C2#8.2 80.72,20.03 81.47,19.27 C1#5.2 82.26,19.27 83.49,20.5 ; K1.5 35.27,42.29 C2#14.2 35.92,42.43 36.67,41.67 C1#11.2 37.46,41.67 38.69,42.9 ; K1#9.5 12.87,87.09 C2#2.2 13.52,87.23 14.27,86.47 C1#10.2 15.06,86.47 16.29,87.7 ; K1#15.5 35.27,64.69 35.4,64.83 35.92,64.83 36.67,64.07 C1#14.2 37.46,64.07 38.69,65.3 ; K1#11.5 80.06,87.09 C2#6.2 80.72,87.23 81.47,86.47 C1.2 82.26,86.47 83.49,87.7 ; 61.09,87.7 59.86,86.47 C1#7.2 59.07,86.47 58.31,87.23 C2#3.2 57.67,87.09 K1#10.5
Net-(C3-Pad2): length 102.6
  Top w0.254: U1#5.6 82.65,76.3 84.95,73.99 C3#5.2 ; C3#7.2 62.55,51.59 60.25,53.9 U1#10.6 ; C3#13.2 40.15,73.99 37.84,76.3 U1#11.6 ; U1#9.6 15.45,76.3 17.75,73.99 C3#6.2 ; C3#14.2 17.75,29.19 15.45,31.5 U1#12.6 ; U1#7.6 82.65,53.9 84.95,51.59 C3#2.2 ; U1#6.6 37.84,53.9 40.15,51.59 C3#15.2 ; C3#10.2 17.75,51.59 15.45,53.9 U1#13.6 ; C3#16.2 62.55,29.19 60.25,31.5 U1#4.6 ; C3#8.2 62.55,73.99 60.25,76.3 U1#15.6 ; C3#9.2 62.55,6.79 60.25,9.09 U1#3.6 ; U1.6 82.65,9.09 84.95,6.79 C3#4.2 ; U1#8.6 37.84,31.5 40.15,29.19 C3#3.2 ; U1#14.6 82.65,31.5 84.95,29.19 C3.2 ; U1#16.6 37.84,9.09 40.15,6.79 C3#12.2 ; U1#2.6 15.45,9.09 17.75,6.79 C3#11.2
Net-(C4-Pad1): length 53.9
  Top w0.254: R2#9.1 14.7,27.48 C4#12.1 14.79,27.47 14.79,28.15 14.05,28.89 U1#12.8 ; U1#14.8 81.25,28.89 81.99,28.15 81.99,27.47 C4#8.1 81.91,27.48 R2#2.1 ; R2#12.1 59.5,5.08 C4#14.1 59.59,5.07 59.59,5.75 58.85,6.49 U1#3.8 ; R2#10.1 37.11,27.48 C4#5.1 37.19,27.47 37.19,28.15 36.45,28.89 U1#8.8 ; R2.1 14.7,5.08 C4#15.1 14.79,5.07 14.79,5.75 14.05,6.49 U1#2.8 ; U1#13.8 14.05,51.29 14.79,50.55 14.79,49.87 C4#16.1 14.7,49.88 R2#13.1 ; R2#8.1 14.7,72.28 C4#4.1 14.79,72.27 14.79,72.95 14.05,73.69 14.05,73.76 ; 81.25,73.76 81.25,73.69 81.99,72.95 81.99,72.27 C4#6.1 81.91,72.28 R2#5.1 ; R2#4.1 81.91,5.08 C4#11.1 81.99,5.07 81.99,5.75 81.25,6.49 U1.8 ; U1#7.8 81.25,51.29 81.99,50.55 81.99,49.87 C4#7.1 81.91,49.88 R2#11.1 ; R2#6.1 59.5,49.88 C4#13.1 59.59,49.87 59.59,50.55 58.85,51.29 U1#10.8 ; 36.45,73.76 36.45,73.69 37.19,72.95 37.19,72.27 C4#2.1 37.11,72.28 R2#7.1 ; U1#4.8 58.85,28.89 59.59,28.15 59.59,27.47 C4#3.1 59.5,27.48 R2#16.1 ; R2#3.1 59.5,72.28 C4#9.1 59.59,72.27 59.59,72.95 58.85,73.69 58.85,73.76 ; U1#6.8 36.45,51.29 37.19,50.55 37.19,49.87 C4.1 37.11,49.88 R2#15.1 ; R2#14.1 37.11,5.08 C4#10.1 37.19,5.07 37.19,5.75 36.45,6.49 U1#16.8
Net-(C4-Pad2): length 127.4
  Top w0.254: C4#3.2 59.59,25.93 R1#7.1 ; R1#4.1 37.19,70.73 C4#2.2 ; C4#14.2 59.59,3.53 R1#13.1 ; C4#6.2 82,70.73 R1#9.1 ; C4#10.2 37.19,3.53 R1#6.1 ; R1#14.1 14.8,25.93 C4#12.2 ; v1(82.29,7.85) 82.26,7.83 U1.7 ; v1(15.09,30.25) 15.06,30.23 U1#12.7 ; R1.1 37.19,25.93 C4#5.2 ; v1(82.29,30.25) 82.26,30.23 U1#14.7 ; v1(15.09,75.05) 15.06,75.03 U1#9.7 ; R1#12.1 82,3.53 C4#11.2 ; R1#10.1 14.8,48.33 C4#16.2 ; U1#8.7 37.47,30.23 v1(37.49,30.25) ; R1#16.1 82,48.33 C4#7.2 ; 81.25,52.62 82.26,52.62 v1(82.29,52.65) ; U1#15.7 59.86,75.03 v1(59.89,75.05) ; U1#11.7 37.47,75.03 v1(37.49,75.05) ; R1#2.1 59.59,70.73 C4#9.2 ; 14.05,52.62 15.06,52.62 v1(15.09,52.65) ; C4.2 37.19,48.33 R1#15.1 ; 58.85,52.62 59.86,52.62 v1(59.89,52.65) ; v1(15.09,7.85) 15.06,7.83 U1#2.7 ; R1#8.1 59.59,48.33 C4#13.2 ; C4#8.2 82,25.93 R1#3.1 ; C4#4.2 14.8,70.73 R1#11.1 ; U1#16.7 37.47,7.83 v1(37.49,7.85) ; U1#4.7 59.86,30.23 v1(59.89,30.25) ; C4#15.2 14.8,3.53 R1#5.1 ; 36.45,52.62 37.47,52.62 v1(37.49,52.65) ; v1(82.29,75.05) 82.26,75.03 U1#5.7 ; U1#3.7 59.86,7.83 v1(59.89,7.85)
  Bottom w0.254: v1(37.92,48.33) 37.92,48.98 38.99,50.05 38.99,51.15 v1(37.49,52.65) ; v1(82.29,7.85) 83.79,6.35 83.79,5.25 82.72,4.18 v1(82.72,3.53) ; v1(60.31,25.93) 60.31,26.58 61.39,27.65 61.39,28.75 v1(59.89,30.25) ; v1(15.52,70.73) 15.52,71.38 16.59,72.45 16.59,73.55 v1(15.09,75.05) ; v1(82.72,70.73) 82.72,71.38 83.79,72.45 83.79,73.55 v1(82.29,75.05) ; v1(60.31,3.53) 60.31,4.18 61.39,5.25 61.39,6.35 v1(59.89,7.85) ; v1(15.52,48.33) 15.52,48.98 16.59,50.05 16.59,51.15 v1(15.09,52.65) ; v1(60.31,48.33) 60.31,48.98 61.39,50.05 61.39,51.15 v1(59.89,52.65) ; v1(37.92,70.73) 37.92,71.38 38.99,72.45 38.99,73.55 v1(37.49,75.05) ; v1(37.92,25.93) 37.92,26.58 38.99,27.65 38.99,28.75 v1(37.49,30.25) ; v1(82.72,48.33) 82.72,48.98 83.79,50.05 83.79,51.15 v1(82.29,52.65) ; v1(60.31,70.73) 60.31,71.38 61.39,72.45 61.39,73.55 v1(59.89,75.05) ; v1(37.92,3.53) 37.92,4.18 38.99,5.25 38.99,6.35 v1(37.49,7.85) ; v1(15.09,30.25) 16.59,28.75 16.59,27.65 15.52,26.58 v1(15.52,25.93) ; v1(15.09,7.85) 16.59,6.35 16.59,5.25 15.52,4.18 v1(15.52,3.53) ; v1(82.29,30.25) 83.79,28.75 83.79,27.65 82.72,26.58 v1(82.72,25.93)
